# KiCad board FCSat_dual.kicad_pcb (continued)
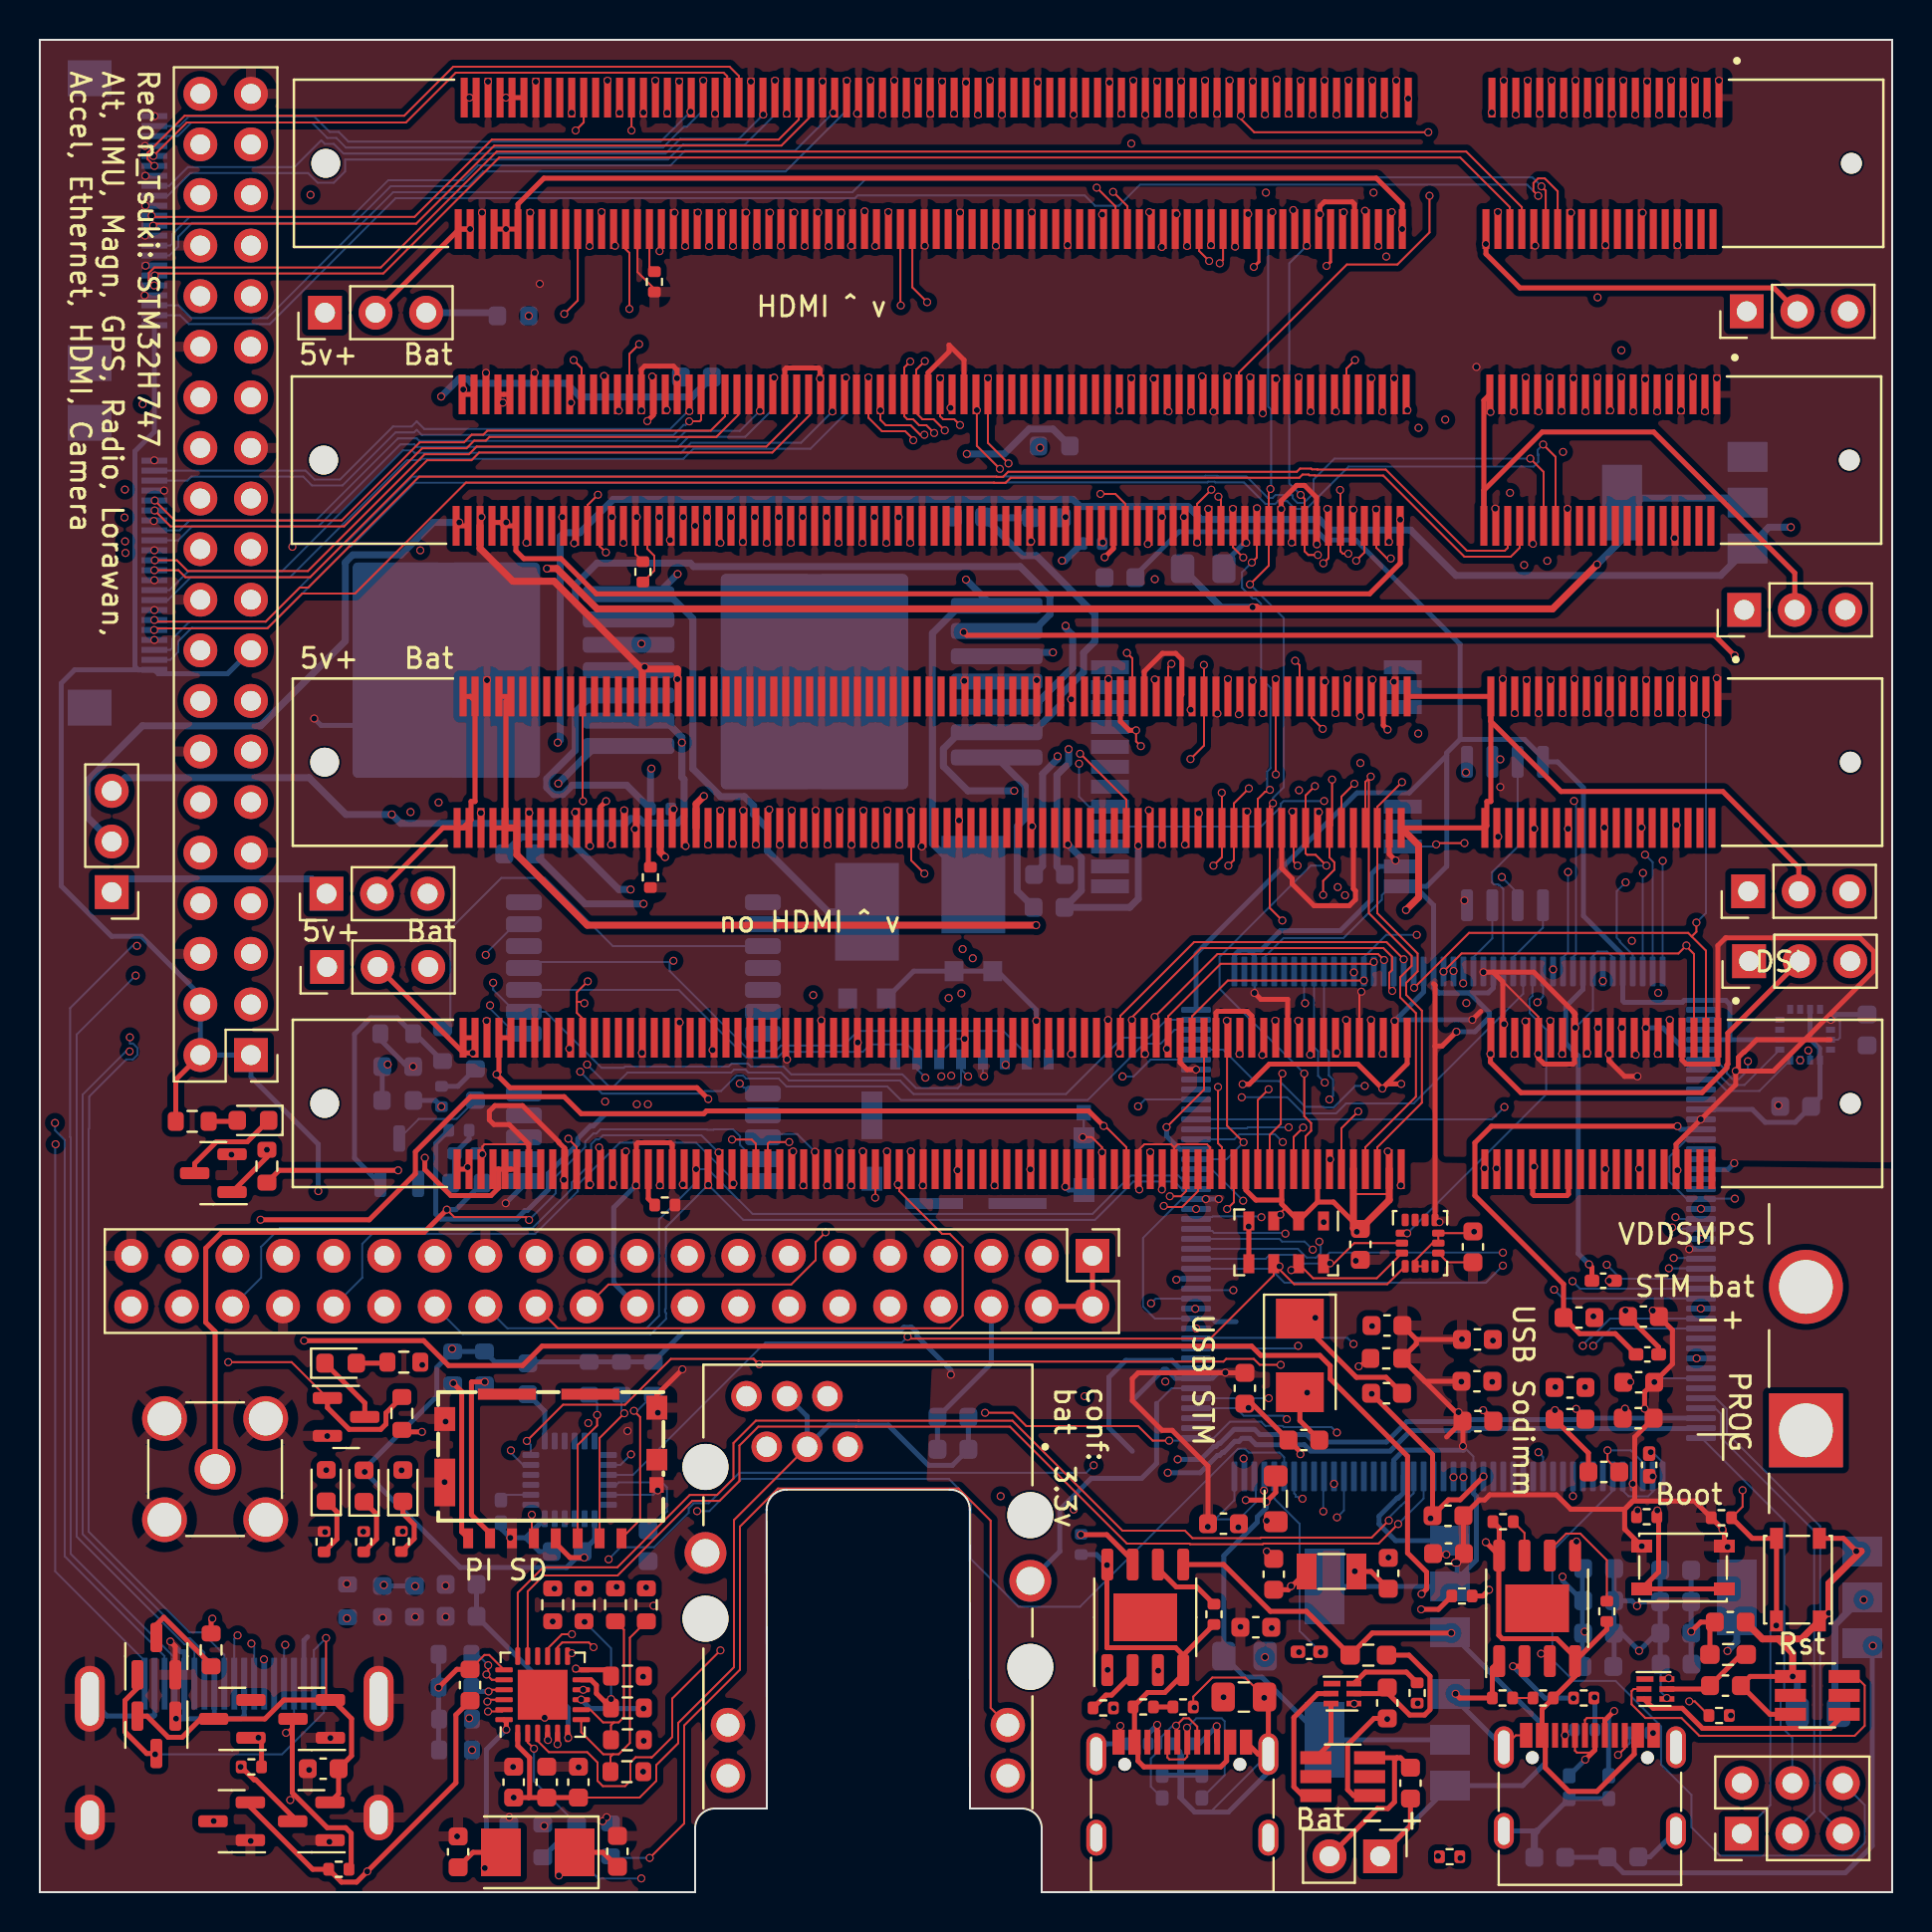
[diagram p0: board, top side]
## Routing (per net, layer and track width the routed paths; a pad name or vN(x,y) marks a point on that pad's centre or on a via; arc(x,y) is an arc through that point) (continued)
DRDY: length 6.1
  In2.Cu w0.1: v1(88.38,41.76) 88.34,41.8 85.84,41.8 v1(85.76,41.72)
  Bottom w0.1: v1(85.76,41.72) 85.76,41.27 85.31,40.83 84.98,40.83 84.69,41.11 84.69,41.22 84.11,41.8 MainMCU1.94
E_PIO0: length 59.2
  In1.Cu w0.1: v1(42.6,84.35) 42.87,84.08 42.77,83.98 42.77,73.8 42.67,73.69 42.67,67.92 v1(42.5,67.75) 42.38,67.63 42.38,54.47 v1(42.55,54.3) 42.38,54.13 42.38,37.34 v1(42.53,37.19)
  In2.Cu w0.1: v1(42.53,37.19) 42.53,34.55 43.37,33.71 48.55,33.71 P4.3
E_PIO1: length 57.3
  Top w0.1: v1(41.94,34.87) 41.95,34.88 U5.130
  In1.Cu w0.1: v1(41.94,82.65) 42,82.59 42,75.88 40.84,74.72 40.84,70.1 v1(41.9,69.04) 41.9,52.63 v1(41.94,52.59) v1(41.94,34.87)
  In2.Cu w0.1: P4.5 46.31,33.41 43.23,33.41 41.94,34.7 v1(41.94,34.87)
E_PIO2: length 56
  In1.Cu w0.1: v1(41.31,37.19) 41.47,37.34 41.47,54.18 v1(41.35,54.3) 40.64,55.01 40.64,67.09 v1(41.3,67.75) 40.54,68.51 40.54,74.85 41.13,75.44 41.13,84.11 v1(41.41,84.39)
  In2.Cu w0.1: P4.7 44.26,31.95 41.31,34.9 v1(41.31,37.19)
E_PIO3: length 52.6
  In1.Cu w0.1: v1(40.24,84.32) 40.07,84.15 40.07,74.63 40.24,74.46 40.24,67.89 v1(40.1,67.75) 40.1,54.35 v1(40.15,54.3) 40.15,37.21 v1(40.13,37.19)
  In2.Cu w0.1: v1(40.13,37.19) 40.15,37.17 P4.11
E_PIO4: length 51.3
  In1.Cu w0.1: v1(39.6,82.65) 39.58,82.63 39.58,74.69 39.39,74.51 39.39,69.15 v1(39.5,69.04) 39.61,68.93 39.61,52.66 v1(39.55,52.6) 39.63,52.52 39.63,35.59 v1(39.53,35.49)
  In2.Cu w0.1: v1(39.53,35.49) 39.53,34.37 37.61,32.45
E_PIO5: length 52.1
  In1.Cu w0.1: v1(38.33,35.49) 38.35,35.51 v1(38.35,52.6) 38.35,68.99 v1(38.3,69.04) 38.26,69.08 38.26,75.73 38.4,75.87 v1(38.4,82.65)
  In2.Cu w0.1: P4.15 38.33,35.21 v1(38.33,35.49)
E_PIO6: length 58.9
  In1.Cu w0.1: v1(37.88,84.32) 37.61,84.05 37.61,76.13 37.6,76.13 37.6,74.63 37.8,74.43 37.8,67.85 v1(37.7,67.75) 37.85,67.6 37.85,54.39 v1(37.75,54.3) 37.91,54.14 37.91,42.31 38.03,42.18 38.03,37.4 v1(37.82,37.19)
  In2.Cu w0.1: P4.19 32.29,34.25 36.95,34.25 37.82,35.12 v1(37.82,37.19)
E_PIO7: length 63.2
  Top w0.1: U5.148 36.55,37.57 36.64,37.66 v1(37.62,37.66)
  In1.Cu w0.1: v1(36.66,84.32) 36.47,84.13 36.47,74.79 36.55,74.71 36.55,67.8 v1(36.5,67.75) 36.62,67.63 v1(36.62,54.35) 36.62,38.66 v1(37.62,37.66)
  In2.Cu w0.1: P4.21 29.99,34.49 32.11,34.49 32.17,34.55 36.24,34.55 36.24,36.28 v1(37.62,37.66)
E_PIO8: length 62.8
  Top w0.1: U5.150 35.95,37.57 35.74,37.79 v1(34.75,37.79)
  In1.Cu w0.1: v1(34.75,37.79) 35.95,38.98 v1(35.95,52.6) 36.02,52.67 36.02,68.92 v1(35.9,69.04) 35.74,69.2 35.74,74.52 36,74.78 v1(36,82.65)
  In2.Cu w0.1: v1(34.75,37.79) 35.23,37.31 35.23,34.85 32.04,34.85 31.98,34.79 29.87,34.79 29.02,33.94 26.9,33.94 P4.23
E_PIO9: length 62.9
  In1.Cu w0.1: v1(32.28,35.54) 32.28,37.11 32.51,37.33 32.51,43.48 32.52,43.5 32.52,43.83 32.51,43.84 32.51,52.44 v1(32.42,52.53) 32.42,54.68 32.97,55.22 32.97,66.95 32.3,67.62 v1(32.3,69.04) 32.04,69.3 32.04,74.37 32.4,74.73 v1(32.4,82.65)
  In2.Cu w0.1: v1(32.28,35.54) 31.83,35.09 29.74,35.09 28.89,34.24 24.51,34.24 24.06,34.69 24.06,34.84 23.66,35.24 23.12,35.24 19.83,31.95
E_PIO10: length 49.9
  Top w0.1: v1(31.11,82.39) 31.2,82.48 31.2,83.5
  Top w0.35: 31.15,53.43 31.15,52.21 v1(31.39,51.97)
  In1.Cu w0.1: v1(31.13,35.49) 31.13,51.71 v1(31.39,51.97) 31.39,56.33 31.1,56.62 v1(31.1,69.04) 31.07,69.07 31.07,75.87 31.16,75.96 31.16,82.34 v1(31.11,82.39)
E_PIO11: length 63
  Top w0.1: U2.172 29.41,82.5 29.6,82.3 v1(29.6,79.49)
  In1.Cu w0.1: v1(29.6,79.49) 29.69,79.4 29.69,69.6 29.3,69.21 v1(29.3,67.75) 29.3,54.35 v1(29.34,54.32) 29.08,54.06 29.08,37.53 v1(29.42,37.19)
  In2.Cu w0.1: v1(29.42,37.19) 29.42,35.65 28.31,34.54 24.63,34.54 24.36,34.81 24.36,34.96 23.78,35.54 23,35.54 22.71,35.25 20.87,35.25 20.24,34.62 19.96,34.62 P4.29
E_PIO12: length 64
  In1.Cu w0.1: v1(28.88,82.66) 28.88,77 29.04,76.83 29.04,75.85 28.67,75.48 28.67,70.5 28.72,70.45 28.72,70.42 28.72,70.42 v1(28.72,69.04) 28.83,68.93 28.83,54.23 28.78,54.18 28.78,52.7 v1(28.68,52.6) 28.78,52.5 28.78,37.41 29.02,37.17 29.02,35.82 v1(28.79,35.58)
  In2.Cu w0.1: P4.31 17.72,34.92 20.12,34.92 20.75,35.55 22.59,35.55 22.87,35.84 23.91,35.84 24.9,34.84 27.91,34.84 28.66,35.58 v1(28.79,35.58)
E_PIO13: length 70.9
  Top w0.1: U3.176 28.1,67.58 v1(28.42,67.26)
  Top w0.25: v1(28.43,54.78) 28.15,54.5 28.15,53.43
  In1.Cu w0.1: v1(28.08,37.39) 28.08,37.58 28.18,37.68 28.18,39.33 27.98,39.53 27.98,39.86 28.22,40.09 28.31,40.09 28.31,45.9 28.32,45.91 28.32,52.4 28.28,52.43 28.28,52.77 28.32,52.8 28.32,54.67 v1(28.43,54.78) 28.4,54.81 28.4,67.24 v1(28.42,67.26) 28.32,67.36 28.32,69.9 28.42,69.99 28.42,70.33 28.35,70.4 28.35,75.58 28.73,75.96 28.73,76.72 28.31,77.14 28.31,84.24 v1(28.2,84.35)
  In2.Cu w0.1: P4.33 15.48,35.22 19.99,35.22 20.63,35.85 22.46,35.85 22.75,36.14 24.03,36.14 25.03,35.14 27.79,35.14 28.08,35.43 v1(28.08,37.39)
E_PIO14: length 71.5
  Top w0.1: v1(28.02,70.16) 27.5,69.64 U3.178
  In1.Cu w0.1: v1(27.6,82.65) 27.6,76.59 27.92,76.27 27.92,70.26 v1(28.02,70.16) 28.02,52.93 v1(27.62,52.53) 28.01,52.14 28.01,40.31 27.68,39.98 27.68,39.4 27.88,39.2 27.88,37.81 27.71,37.64 27.71,37.58 27.68,37.56 27.68,37.23 27.71,37.2 27.71,35.63 v1(27.62,35.54)
  In2.Cu w0.1: P4.35 9.67,33.15 13.97,37.45 25.71,37.45 v1(27.62,35.54)
E_PIO15: length 71
  Top w0.1: v1(26.33,79.24) 27.01,79.91 U2.180 ; U5.180 26.95,37.41 v1(26.53,37.83)
  In1.Cu w0.1: v1(26.33,79.24) 26.27,79.18 26.27,69.7 26.65,69.32 26.65,67.91 v1(26.83,67.73) 26.74,67.64 26.74,54.59 26.7,54.55 26.7,54.31 26.78,54.23 26.86,54.23 v1(26.88,54.21) 26.38,53.71 26.38,46.44 26.31,46.37 26.31,46.28 26.27,46.24 26.27,44.14 27,43.41 27,42.07 26.88,41.95 26.64,41.95 26.26,41.57 26.26,38.1 v1(26.53,37.83)
  In2.Cu w0.1: v1(26.53,37.83) 13.01,37.83 P4.37
E_PIO18: length 84.5
  Top w0.1: U4.179 27.25,54.8 v1(27.27,54.78) ; v1(26.9,88.45) 27.31,88.86 27.31,90.1 ; v1(27.34,44.63) 27.27,44.7 26.96,44.7 ; 26.96,44.7 26.96,44.15 27.25,43.86 U5.179 ; 26.96,44.7 26.96,45.18 v1(27.51,45.73) ; U3.179 27.2,76.52 v1(26.8,76.92)
  In1.Cu w0.1: v1(27.51,45.73) 27.22,46.02 27.22,52.69 27.62,53.09 27.62,54.43 v1(27.27,54.78) 27.62,55.13 27.62,76.1 v1(26.8,76.92) 27.12,77.24 27.12,88.23 v1(26.9,88.45) ; P4.12 39.05,30.51 39.05,35.59 39.31,35.85 39.31,37.34 38.83,37.82 v1(38.83,45.04)
  In2.Cu w0.1: v1(27.34,44.63) 27.41,44.7 38.49,44.7 v1(38.83,45.04)
EMMC_EN_N_1V8: length 114.5
  Top w0.1: U2.90 54.01,84.64 v1(53.06,85.58) ; Q4.1 12.64,26.61 v1(9.46,26.61)
  Top w0.25: R59.2 17.38,24.06 17.38,23.5 17.11,23.23 15.53,23.23 14.44,24.33 Q4.1
  In1.Cu w0.1: v1(9.46,26.61) 8.57,27.5 8.57,37.8 12.28,41.51 12.28,83.91 v1(13.59,85.22)
  In2.Cu w0.1: v1(13.59,85.22) 13.9,85.53 53.01,85.53 v1(53.06,85.58)
FIO0: length 10.2
  In1.Cu w0.1: v1(70.98,46.25) 71.12,46.4 71.12,55.74 v1(71.6,56.22)
FIO1: length 7.3
  In1.Cu w0.1: v1(73.4,50.97) 73.4,50.82 71.46,48.88 v1(71.46,45.63)
  Bottom w0.1: v1(73.4,50.97) 73.4,50.96 74.2,50.16
FIO2: length 3.7
  Bottom w0.1: 72.92,49.55 72.92,47.88 71.98,46.93 MainMCU1.69
FIO3: length 11.4
  Bottom w0.1: Flash32MBit1.7 74.2,52.49 72.91,51.21 72.91,50.69 73.01,50.6 73.2,50.6 73.24,50.57 73.27,50.57 73.48,50.37 MainMCU1.72
FIO_clk: length 18.3
  In1.Cu w0.1: v1(65.98,46.18) 66.2,46.4 66.2,47.68 66.46,47.94 66.46,55.84 66.3,55.99 v1(66.3,56.69)
  In2.Cu w0.1: v1(73.32,56.88) 73.14,56.69 v1(66.3,56.69)
  Bottom w0.25: 72.92,56.75 73.05,56.88 v1(73.32,56.88)
FIO_NCS: length 3.9
  Bottom w0.1: MainMCU1.73 73.98,46.93 75.46,48.42 75.46,49.55
GPIO0: length 135.7
  Top w0.1: 82.94,47.98 83.65,47.27 U5.3 ; 82.94,47.98 82.76,48.16 71.76,48.16 v1(69,45.41) ; 82.94,47.98 83.17,48.22 v1(83.17,48.68)
  In1.Cu w0.1: v1(83.7,89.25) 83.7,74.45 v1(83.6,74.35) 83.6,59.2 v1(83.65,59.15)
  In2.Cu w0.1: v1(83.6,74.35) 82.49,75.46 44.3,75.46 44.17,75.6 43.84,75.6 43.7,75.46 23.36,75.46 23.05,75.15 21.53,75.15 21.06,74.68 10.97,74.68
  Bottom w0.1: v1(83.65,59.15) 83.65,49.16 v1(83.17,48.68)
GPIO1: length 138.6
  Top w0.1: U5.5 83.05,47.1 82.67,47.48 v1(82.67,47.53) 82.27,47.13 71.38,47.13 v1(70.47,46.22)
  In1.Cu w0.1: v1(82.67,47.53) 82.14,48.06 82.14,49.47 83.05,50.38 v1(83.05,60.9) 83.05,76 v1(83,76.05) 83,90.85 v1(83.1,90.95)
  In2.Cu w0.1: P3.28 9.5,76.49 22.05,76.49 22.23,76.68 25.01,76.68 25.2,76.49 28.13,76.49 28.4,76.76 41.53,76.76 41.89,76.4 44.6,76.4 45.22,77.02 62.87,77.02 63.42,76.47 71.45,76.47 71.96,76.98 73.36,76.98 73.42,76.91 82.14,76.91 v1(83,76.05)
GPIO2: length 133.1
  In1.Cu w0.1: v1(81.85,60.9) 81.68,61.07 81.68,75.93 v1(81.8,76.05) 81.8,82.87 81.9,82.97 v1(81.9,90.95) ; v1(82.12,33.89) 81.82,34.19 81.82,43.78 v1(81.83,43.79) 81.77,43.85
  In1.Cu w0.15: v1(81.85,60.9) 81.85,53.92 81.7,53.77 81.7,52.25 81.95,51.99 81.95,49.75 81.8,49.59 81.8,43.82 v1(81.83,43.79)
  In2.Cu w0.1: P3.3 19.6,44.57 21.08,46.05 22.16,46.05 22.47,46.36 23.05,46.36 23.36,46.05 25.99,46.05 26.38,46.44 27.79,46.44 28.12,46.11 31.47,46.11 31.52,46.06 32.1,46.06 32.15,46.11 38.04,46.11 38.27,46.34 39.37,46.34 39.66,46.05 65.15,46.05 65.73,46.63 66.48,46.63 66.81,46.3 69.98,46.3 70.6,46.92 74.14,46.92 77.27,43.79 v1(81.83,43.79)
  Bottom w0.1: v1(82.12,33.89) 82.21,33.8 82.96,33.8
GPIO3: length 133
  In1.Cu w0.1: 81.04,45.15 81.04,45.15 v1(81.25,45.15) ; 81.04,45.15 81.04,42.28 v1(81.23,42.09) 81.23,34.09 v1(81.95,33.37) ; 81.04,45.15 81.04,58.99 v1(81.25,59.2) 81.2,59.25 v1(81.2,74.35) 81.2,89.15 v1(81.3,89.25)
  In2.Cu w0.1: 81.12,45.35 81.25,45.22 v1(81.25,45.15) 81.06,45.35 76.39,45.35 74.38,47.36 68.84,47.36 68.74,47.46 67.31,47.46 67.31,47.46 66.14,47.46 65.03,46.35 39.78,46.35 39.49,46.64 38.15,46.64 37.92,46.41 32.02,46.41 31.98,46.36 31.64,46.36 31.6,46.41 28.24,46.41 27.91,46.74 26.26,46.74 25.87,46.35 23.48,46.35 23.17,46.66 22.34,46.66 22.04,46.35 20.96,46.35 19.96,45.35 12.36,45.35 P3.5
  Bottom w0.1: v1(81.95,33.37) 82.01,33.31 84,33.31
GPIO4: length 130.6
  In1.Cu w0.1: 80.02,47.72 79.97,47.72 v1(79.93,47.76) ; 80.02,47.72 80.02,43.63 80.12,43.52 v1(80.12,42.05) 80.69,41.48 80.69,33.18 v1(82.03,31.84) ; 80.02,47.72 80.02,59.17 v1(80.05,59.2) 79.93,59.32 79.93,74.28 v1(80,74.35) 80.07,74.42 80.07,89.22 v1(80.1,89.25)
  In2.Cu w0.1: P3.7 12.1,48.15 49.82,48.15 49.84,48.13 68.5,48.13 68.96,47.66 79.83,47.66 v1(79.93,47.76)
  Bottom w0.1: v1(82.03,31.84) 83.96,31.84
GPIO5: length 130.6
  In1.Cu w0.1: v1(79.5,90.95) 79.4,90.85 v1(79.4,76.05) 79.4,67.52 79.45,67.47 v1(79.45,60.9) 79.18,60.63 79.18,47.99 78.9,47.72 78.9,47.38 79.43,46.86 v1(79.43,43.39) 79.72,43.1 79.72,33.39 v1(81.79,31.32)
  In2.Cu w0.1: 10.87,77.32 79.31,77.32 v1(79.41,77.41)
  Bottom w0.1: 82.74,31.32 v1(81.79,31.32)
GPIO6: length 133.5
  In1.Cu w0.1: v1(78.3,90.95) 78.21,90.86 78.21,76.06 v1(78.2,76.05) 78,75.85 78,67.04 77.78,66.82 77.78,61.37 v1(78.25,60.9) 78.07,60.72 78.07,43.55 v1(78.23,43.39) 78.2,43.36 78.2,31.97 v1(78.67,31.5)
  In2.Cu w0.1: 10.87,80.4 24.46,80.4 24.81,80.05 25.39,80.05 25.63,80.29 77.99,80.29 v1(78.21,80.07)
  Bottom w0.1: v1(78.67,31.5) 79.37,30.8 84.02,30.8
GPIO7: length 136.3
  In1.Cu w0.1: v1(77.7,89.25) 77.6,89.15 v1(77.6,74.35) 77.48,74.23 77.48,59.37 v1(77.65,59.2) 77.65,42.18 v1(77.69,42.14) 77.08,41.53 77.08,30.8 v1(76.95,30.67)
  In2.Cu w0.1: v1(77.6,74.35) 76.36,73.11 45.72,73.11 45.11,72.5 43.69,72.5 43.31,72.88 12.35,72.88 11.62,73.61 9.16,73.61 P3.26
  Bottom w0.1: 82.82,30.3 77.32,30.3 v1(76.95,30.67)
GPIO8: length 138.5
  In1.Cu w0.1: v1(76.03,30.25) 76.28,30.51 76.28,41.94 v1(76.43,42.09) 76.29,42.23 76.29,59.04 v1(76.45,59.2) 76.48,59.23 76.48,67.83 76.3,68.01 76.3,74.28 v1(76.4,74.38) 76.48,74.45 76.48,89.23 v1(76.5,89.25)
  In2.Cu w0.1: P3.24 9.16,68.87 19.26,68.87 19.76,68.37 32.57,68.37 32.73,68.2 33.07,68.2 33.23,68.37 72.54,68.37 75.05,70.87 75.05,70.88 v1(76.47,72.31)
  Bottom w0.1: v1(76.03,30.25) 76.47,29.81 84.02,29.81
GPIO9: length 139.3
  In1.Cu w0.1: v1(75.9,90.95) 75.8,90.85 v1(75.8,76.05) 76,75.85 76,72.51 75.66,72.17 75.66,61.04 v1(75.85,60.85) 75.85,53.59 75.61,53.35 75.61,43.96 v1(75.83,43.74) 75.83,31.27 70.78,26.22 70.78,21.75 71.48,21.05 v1(71.48,20.83)
  In2.Cu w0.1: 10.91,67.12 18.25,67.12 18.92,67.79 19.28,67.79 20.22,66.85 25.63,66.85 25.86,66.62 25.86,66.53 26.04,66.36 29.42,66.36 29.66,66.6 32.2,66.6 32.44,66.36 61.05,66.36 61.08,66.32 73.64,66.32 74.36,67.03 75.49,67.03 v1(75.68,66.84)
GPIO10: length 145.9
  In1.Cu w0.1: v1(74.7,90.95) 74.68,90.93 74.68,76.13 v1(74.6,76.05) 74.63,76.02 74.63,72.85 74.4,72.62 74.4,61.1 v1(74.65,60.85) 74.62,60.82 74.62,51.87 75.27,51.22 75.27,49.86 74.58,49.17 v1(74.58,43.72) 74.62,43.68 74.62,32.62 v1(73.46,31.46)
  In2.Cu w0.1: v1(74.52,66.63) 73.82,65.93 61.05,65.93 60.92,66.06 60.59,66.06 60.36,65.82 60.36,65.65 60.23,65.52 53.34,65.52 52.72,64.91 33.99,64.91 33.5,64.42 33.5,61.98 33.08,61.56 32.48,61.56 29.78,64.26 25.09,64.26 24.96,64.39 24.91,64.39 24.83,64.47 23.93,64.47 23.51,64.89 P3.19
  Bottom w0.1: v1(73.46,31.46) 72.6,30.6 62.5,30.6 61.79,31.3 MainMCU1.18
GPIO11: length 138.8
  In1.Cu w0.1: v1(74.1,89.25) 74.1,74.43 v1(74.01,74.34) 73.83,74.16 73.83,69.15 74.05,68.92 v1(74.05,59.2) 74.05,52.02 74.75,51.31 74.75,51.25 74.88,51.12 74.88,50.23 74.03,49.38 v1(74.03,42.09) 74.3,41.82 74.3,32.95 v1(73.46,32.11)
  In2.Cu w0.1: v1(73.81,70.26) 73.42,69.87 63.58,69.87 63.47,69.75 63.14,69.75 62.92,69.97 59.71,69.97 59.33,69.59 59.06,69.59 59.06,69.61 58.83,69.84 58.75,69.84 58.74,69.86 58.74,69.87 58.72,69.88 58.72,69.89 58.71,69.9 58.71,69.9 58.7,69.91 58.7,69.91 57.99,70.63 20,70.63 19.4,70.03 19.39,70.03 19.36,70 19.12,70 19.09,69.97 P3.23
  Bottom w0.1: v1(73.46,32.11) 64.75,32.11 64.2,31.56 63.47,31.56 63.03,32 61.75,32 61.55,31.8 MainMCU1.19
GPIO12: length 110.8
  Top w0.25: v1(67.67,58.37) 67.45,58.59 U4.45
  In1.Cu w0.1: v1(67.42,42.1) 67.42,45.63 67.89,46.1 67.89,51.41 67.67,51.63 v1(67.67,58.37) 67.67,59.11 67.34,59.44 67.34,69.11 67.5,69.27 67.5,74.25 v1(67.41,74.34) 67.6,74.54 67.6,84.06 67.48,84.18 67.48,89.23 v1(67.5,89.25)
  In2.Cu w0.1: P3.32 9.17,81.24 24.29,81.24 24.7,80.83 24.7,80.59 24.94,80.35 25.27,80.35 25.5,80.59 25.5,80.59 66.07,80.59 v1(67.6,82.12)
GPIO13: length 105.6
  In1.Cu w0.1: v1(66.9,90.95) 66.93,90.92 66.93,84.25 66.8,84.12 66.8,76.07 v1(66.86,76.01) 66.66,75.81 66.66,67.91 66.91,67.66 v1(66.91,60.87) 66.91,59.43 67.12,59.22 67.12,56.44 67.22,56.34 67.22,48.27 66.57,47.62 66.57,46.54 66.87,46.23 66.87,43.83 v1(66.83,43.79)
  In2.Cu w0.1: P3.33 25.92,82.67 28.05,84.8 53.46,84.8 53.59,84.67 54.17,84.67 54.39,84.88 66.51,84.88 v1(66.96,85.33)
GPIO16: length 128.7
  Top w0.1: U4.57 63.85,58.97 v1(64.41,58.41)
  In1.Cu w0.1: 63.85,89.2 v1(63.9,89.25) 63.87,89.22 63.87,83.65 64.13,83.39 64.13,74.68 v1(63.8,74.35) 63.97,74.18 63.97,69.39 63.6,69.03 63.6,67 63.51,66.91 63.51,55.61 63.62,55.51 63.62,55.37 63.85,55.13 64.08,55.13 ; 64.08,55.13 64.26,55.13 64.47,55.34 64.47,58.35 v1(64.41,58.41) ; 64.08,55.13 63.81,54.85 63.81,51.87 63.85,51.83 63.85,51.21 63.96,51.1 63.96,42.24 v1(63.78,42.05) 63.91,41.92 63.91,38.96 64.13,38.74 64.13,38.1 64.05,38.03 64.05,33.35 64.24,33.17 v1(64.24,32.66)
  In2.Cu w0.1: P3.36 9.16,86.31 13.44,86.31 13.92,85.82 52.74,85.82 52.9,85.98 52.92,85.98 53.1,86.16 54.05,86.16 54.28,85.92 54.28,85.92 54.3,85.9 60.55,85.9 v1(63.9,89.25)
  Bottom w0.1: v1(64.24,32.66) 64.24,32.49 64.31,32.42 64.31,32.09 64.07,31.86 63.61,31.86 63.16,32.3 MainMCU1.20
GPIO17: length 123.1
  Top w0.1: v1(63.02,61.82) 63.25,61.6 U4.59
  In1.Cu w0.1: v1(63.91,32.26) 63.81,32.36 63.81,33.18 63.75,33.23 63.75,38.15 63.83,38.22 63.83,38.61 63.08,39.36 63.08,43.65 v1(63.18,43.74) 63.13,43.8 63.13,50.92 63.55,51.34 63.55,51.7 63.29,51.96 63.29,55.41 63.11,55.59 63.11,60.9 63.21,61 63.21,62.25 ; 63.21,62.25 63.2,62.25 63.02,62.07 v1(63.02,61.82) ; 63.21,62.25 63.21,67.02 63.25,67.06 63.25,69.75 63.14,69.75 62.9,69.99 62.9,70.32 63.15,70.57 63.15,71.1 63.17,71.12 63.17,74.25 63.27,74.35 63.27,75.98 v1(63.2,76.05) 63.2,84.16 63.33,84.29 63.33,90.92 v1(63.3,90.95)
  In2.Cu w0.1: v1(63.22,55.32) 62.34,55.32 61.92,55.74 61.59,55.74 61.5,55.83 49.67,55.83 48.51,56.99 31.46,56.99 31.1,57.36 30.31,57.36 29.95,56.99 20.77,56.99 18.51,54.73 P3.11
  Bottom w0.1: MainMCU1.21 62.23,32.8 62.37,32.66 63.5,32.66 v1(63.91,32.26)
GPIO18: length 123.7
  Top w0.1: U4.63 62.05,56.12 v1(62.05,56.12)
  In1.Cu w0.1: v1(62.1,91) 62.28,90.82 62.28,76.17 v1(62.07,75.96) 62.07,71.23 62.22,71.09 62.22,70.24 61.99,70 61.75,70 61.74,69.99 61.74,69.84 61.81,69.77 61.81,61.14 v1(62.05,60.9) 62.31,60.64 62.31,49.53 61.98,49.21 61.98,48.95 61.98,48.95 61.98,48.62 62.08,48.52 62.08,43.81 v1(62.03,43.75) 62.08,43.7 62.08,41.36 61.98,41.26 61.98,40.93 62.09,40.83 62.09,39.83 61.87,39.61 61.87,33.73 v1(62.54,33.06)
  In2.Cu w0.1: v1(62.05,56.12) 62.04,56.13 49.79,56.13 48.63,57.29 31.59,57.29 31.22,57.66 30.19,57.66 29.82,57.29 20.65,57.29 19.12,55.76 13.9,55.76 13.83,55.83 9.16,55.83 P3.12
  Bottom w0.1: 58.15,33.2 58.86,33.2 58.96,33.1 62.5,33.1 v1(62.54,33.06)
GPIO19: length 110.1
  In1.Cu w0.1: v1(61.33,33.89) 61.18,34.04 61.18,41.84 v1(61.38,42.04) 61.38,43.41 61.33,43.46 61.33,44.04 61.39,44.11 61.39,46.4 61.1,46.69 61.1,58.91 v1(61.39,59.2) 61.41,59.22 61.41,69.22 61.51,69.31 61.51,69.65 61.44,69.71 61.44,70.22 61.38,70.28 61.38,70.62 61.4,70.63 ; 61.36,70.67 61.4,70.7 v1(61.4,74.25) 61.62,74.47 61.62,83.97 61.43,84.16 61.43,85.2 v1(61.56,85.33) 61.56,89.21
  In2.Cu w0.1: v1(61.56,85.33) 54.41,85.33 54.05,84.97 53.72,84.97 53.52,85.17 41.42,85.17 41.4,85.19 21.92,85.19 21.45,84.72 11.09,84.72
  Bottom w0.1: v1(61.33,33.89) 61.29,33.93 58.89,33.93 58.86,33.9 58.22,33.9
  vias: v1(61.51,89.26)
GPIO20: length 139.8
  Top w0.1: v1(60.3,89.2) 60.3,89.03 60.97,88.36 v1(69.71,88.36) ; U3.69 60.2,76.3 65.62,81.72 68.16,81.72 69.77,83.33 v1(69.77,85.17)
  In1.Cu w0.1: v1(69.71,88.36) 69.77,88.3 v1(69.77,85.17) ; v1(60.3,89.2) 60.27,89.17 60.27,82.98 60.41,82.84 60.41,76.26 60.36,76.22 60.36,75.88 60.4,75.85 60.4,74.37 60.5,74.27 60.4,74.17 60.4,69.38 60.02,69 60.02,64.9 60.06,64.86 60.06,59.28 v1(60.2,59.14) 60.22,59.12 60.22,52.91 60.39,52.74 60.39,42.25 v1(60.23,42.09) 60.79,41.53 60.79,37.83 60.85,37.77 60.85,35.15 v1(60.41,34.72)
  In2.Cu w0.1: v1(60.3,89.2) 59.95,88.85 9.16,88.85 P3.38
  Bottom w0.1: v1(60.41,34.72) 58.83,36.3 MainMCU1.28
GPIO21: length 109.4
  Top w0.1: 59.6,43.74 59.6,38.48 v1(60.44,37.65)
  In1.Cu w0.1: v1(59.59,43.75) 60.07,44.23 60.07,51.7 59.84,51.94 59.83,51.94 59.76,52.01 59.76,60.79 v1(59.65,60.9) 59.65,69 59.49,69.16 59.49,69.76 59.56,69.83 59.56,69.97 59.62,70.03 59.62,70.57 59.69,70.64 59.69,73.41 59.78,73.5 59.78,75.62 59.76,75.64 59.76,75.98 v1(59.64,76.1) 59.7,76.16 59.7,82.36 59.61,82.45 59.61,82.78 59.7,82.87 59.7,90.95
  In2.Cu w0.1: v1(59.74,90.96) 59.31,91.39 9.16,91.39 P3.40
  Bottom w0.1: MainMCU1.29 59.58,36.8 v1(60.44,37.65)
GPIO22: length 110.1
  Top w0.1: U5.75 58.45,40.29 v1(56.57,38.41) ; v1(57.77,56.89) 58.45,57.57 U4.75 58.45,61.61 v1(58.44,61.62)
  In1.Cu w0.1: v1(56.57,38.41) 56.57,40.38 57.89,41.7 57.89,52.43 57.89,52.44 57.89,52.77 57.77,52.89 v1(57.77,56.89) ; v1(58.5,90.95) 58.6,90.85 58.6,84.17 58.2,83.77 58.2,76.25 v1(58.35,76.1) 58.2,75.95 58.2,68.24 58.52,67.93 58.52,61.69 v1(58.44,61.62)
  In2.Cu w0.1: P3.15 51.13,59.81 51.61,60.29 51.95,60.29 52.15,60.08 56.91,60.08 v1(58.44,61.62)
  Bottom w0.25: MainMCU1.30 57.23,37.3 56.57,37.96 v1(56.57,38.41)
GPIO23: length 118.7
  Top w0.1: v1(66.47,45.77) 59.64,45.77 57.85,43.97 U5.77
  In1.Cu w0.1: v1(57.78,59.36) 57.71,59.44 57.71,67.94 57.84,68.07 57.84,72.24 57.57,72.51 57.57,73.79 57.8,74.02 v1(57.8,74.35) 57.9,74.45 v1(57.9,89.25) ; v1(69.21,58.17) 69.25,58.13 69.25,48.18 v1(69.13,48.06)
  In2.Cu w0.1: 56.79,58.37 57.15,58.01 69.04,58.01 v1(69.21,58.17) ; 56.79,58.37 56.14,59.02 54.32,59.02 54.03,59.31 30.22,59.31 29.42,58.51 9.36,58.51 P3.16 ; 56.79,58.37 v1(57.78,59.36)
  Bottom w0.1: MainMCU1.58 66.48,46.93 67.6,48.06 v1(69.13,48.06)
GPIO24: length 112
  Top w0.1: v1(56.81,61.67) 56.65,61.51 U4.81 ; U5.81 56.65,43.97 59.29,46.61 66.88,46.61 v1(66.97,46.7)
  In1.Cu w0.1: v1(56.59,42.34) 56.98,42.73 56.98,57.67 57.07,57.76 57.07,57.81 57.08,57.82 57.08,58.84 56.81,59.11 56.81,73.88 56.87,73.93 56.87,74.15 v1(56.67,74.35) 56.8,74.48 56.8,82.7 56.67,82.82 56.67,89.25 v1(56.7,89.28)
  In2.Cu w0.1: P3.18 9.2,63.49 30.13,63.49 32.36,61.26 33.2,61.26 33.62,61.67 v1(56.81,61.67)
GPIO25: length 112.4
  Top w0.1: v1(55.97,43.95) 59.12,47.1 67.19,47.1 v1(67.49,46.8)
  In1.Cu w0.1: v1(56.1,90.9) 56.1,82.93 55.93,82.77 55.93,76.3 56.02,76.22 56.02,76.08 v1(55.92,75.98) 55.92,67.96 56.04,67.85 56.04,62.46 55.37,61.78 55.37,61.45 55.93,60.89 v1(55.98,60.89) 56.08,60.78 56.08,52.91 55.94,52.77 55.94,43.98 v1(55.97,43.95)
  In2.Cu w0.1: P3.22 9.5,65.99 18.5,65.99 18.77,65.73 19.62,65.73 19.84,65.5 19.93,65.5 20.22,65.21 30.91,65.21 32.6,63.52 32.6,63.55 32.52,63.63 32.52,63.65 32.44,63.73 32.44,65.05 32.6,65.21 52.6,65.21 53.31,65.92 v1(55.98,65.92)
GPIO26: length 112.4
  Top w0.1: U4.87 54.85,61.95 v1(54.58,62.22) ; v1(54.83,43.79) 54.83,43.92 58.31,47.4 67.46,47.4 67.89,46.96 67.89,46.3 67.75,46.16 67.75,45.4 v1(67.9,45.25)
  In1.Cu w0.1: v1(54.83,43.79) 54.75,43.87 54.75,57.62 55.06,57.93 55.21,57.93 55.44,58.17 55.44,58.62 55.21,58.85 55.16,58.85 54.58,59.43 v1(54.58,62.22) 54.58,62.24 54.85,62.51 54.85,68.11 54.65,68.31 54.65,75.85 v1(54.8,76) 54.8,90.85 v1(54.9,90.95)
  In2.Cu w0.1: 10.62,87.77 54.79,87.77 v1(54.8,87.79)
  Bottom w0.1: v1(67.9,45.25) 67.98,45.32 MainMCU1.61
GPIO27: length 113.3
  Top w0.1: v1(55.04,58.33) 55.04,57.78 v1(55.28,57.54) ; U5.89 54.25,44 57.95,47.7 67.61,47.7 v1(68.48,46.84)
  Top w0.25: v1(55.04,58.33) 54.7,58.33 54.25,58.78 U4.89
  In1.Cu w0.1: v1(54.19,42.14) 54.15,42.18 54.15,57.44 v1(55.04,58.33) 54.07,59.3 54.07,62.33 54.2,62.46 v1(54.2,74.4) 54.3,74.5 v1(54.3,89.3)
  In2.Cu w0.1: 11.04,57.71 11.54,58.21 29.54,58.21 29.84,58.51 51.46,58.51 51.85,58.12 54.7,58.12 v1(55.28,57.54)
GPSrst: length 87.2
  Top w0.1: v1(70.11,52.61) 70.17,52.67 v1(71.52,52.67)
  In1.Cu w0.1: v1(71.62,44.64) 72.08,45.1 72.08,49.08 73.86,50.86 73.86,51.08 72.26,52.67 v1(71.52,52.67)
  In2.Cu w0.1: 83.39,50.7 81.5,52.58 70.13,52.58 v1(70.11,52.61) ; v1(35.14,40.6) 35.3,40.75 37.82,40.75 37.88,40.81 43.02,40.81 43.34,40.49 54.46,40.49 54.59,40.62 55.61,40.62 59.43,44.44 61.28,44.44 61.89,45.05 63.67,45.05 64.21,44.51 71.49,44.51 v1(71.62,44.64)
  In2.Cu w0.25: 83.39,50.7 83.65,50.43 83.65,46.93 83.05,46.33 ; v1(75.98,46.33) 83.05,46.33 ; 83.05,46.33 87.13,42.26 v1(88.79,42.26)
  Bottom w0.1: Magnetometer1.14 88.88,42.17 v1(88.79,42.26) ; 36.02,40.39 35.35,40.39 v1(35.14,40.6) ; v1(70.11,52.61) 70,52.5 LoRaWan1.18
HDMI_CEC: length 130.2
  Top w0.1: 29.7,90.1 v1(29.7,88.45) ; v1(30.09,77.72) 29.6,77.23 U3.171
  In1.Cu w0.1: v1(30.09,77.72) 30.09,88.07 v1(29.7,88.45) ; v1(5.16,74.71) 5.16,69.27 3.88,67.99 3.88,67.81 3.6,67.53 3.6,66.95 4.18,66.37 4.18,56.7 5.01,55.87 5.01,48.99 4.83,48.81 3.99,48.81 3.51,48.33 3.51,43.75 3.22,43.46 3.22,42.76 3.21,42.75 3.21,41.67 3.51,41.37 3.51,33.7 2.59,32.78 2.59,31.12 3.03,30.68 2.59,30.24 2.59,28.58 3.51,27.66 3.51,15.79 4.18,15.12 4.18,13.58 10.03,7.73 ; 10.03,7.73 13.06,4.7 13.06,4.55 12.08,3.57 v1(8.73,3.57) ; 10.03,7.73 11.25,8.95 v1(11.25,11.69)
  In2.Cu w0.1: v1(5.16,74.71) 5.16,76.25 7.6,78.69 12.73,78.69 13.7,77.72 v1(30.09,77.72)
HDMI_CLK_N: length 131.8
  Top w0.1: v1(48.63,71.73) 47.6,72.77 U3.111
  In1.Cu w0.1: v1(4.28,67.82) 4.28,67.78 3.9,67.41 3.9,67.07 4.71,66.26 4.71,56.59 5.31,55.99 5.31,48.86 4.96,48.51 4.11,48.51 3.81,48.21 3.81,43.62 3.52,43.33 3.52,42.64 3.51,42.62 3.51,41.8 3.81,41.5 3.81,33.57 2.89,32.65 2.89,31.25 3.46,30.68 2.89,30.11 2.89,28.71 3.81,27.79 3.81,15.92 7.13,12.59 7.13,12.59 7.25,12.48 v1(10.62,12.48) ; v1(47.7,90.95) 47.6,90.85 v1(47.6,76)
  In2.Cu w0.1: v1(4.28,67.82) 4.69,68.23 4.69,69.84 6.22,71.37 11.18,71.37 11.62,70.92 14.67,70.92 15.61,71.86 48.51,71.86 v1(48.63,71.73)
  Bottom w0.1: J8.12 10.76,12.34 v1(10.62,12.48)
HDMI_CLK_P: length 129.6
  Top w0.1: v1(47.05,74.41) 47.05,72.62 v1(48.2,71.46)
  In1.Cu w0.1: v1(47.05,74.41) 47.1,74.46 v1(47.1,89.25) ; v1(4.3,67.24) 5.01,66.53 5.01,56.72 5.61,56.12 5.61,48.74 5.08,48.21 4.24,48.21 4.11,48.08 4.11,43.5 3.82,43.21 3.82,42.63 3.88,42.57 3.81,42.5 3.81,41.92 4.11,41.62 4.11,33.35 4.01,33.35 3.19,32.53 3.19,31.37 3.88,30.68 3.19,29.99 3.19,28.83 4.01,28.01 4.11,28.01 4.11,16.04 7.26,12.89 v1(9.93,12.89)
  In2.Cu w0.1: v1(48.2,71.46) 15.63,71.46 14.8,70.62 11.5,70.62 11.06,71.07 6.34,71.07 4.99,69.72 4.99,67.93 v1(4.3,67.24)
  Bottom w0.1: v1(9.93,12.89) 9.76,12.72 J8.10
HDMI_D0_N: length 127.6
  In1.Cu w0.1: v1(45.9,89.3) 45.72,89.12 v1(45.72,74.52) 45.91,74.52 47.54,72.89 47.54,45.83 46.43,44.72 45.8,44.72 v1(45.63,44.89)
  In2.Cu w0.1: v1(45.63,44.89) 40.39,44.89 39.24,46.04 38.4,46.04 38.17,45.81 32.27,45.81 32.22,45.76 31.4,45.76 31.35,45.81 27.99,45.81 27.67,46.13 27.34,46.13 27.11,45.89 27.11,45.7 27.04,45.64 23.34,45.64 23.16,45.82 22.92,46.06 22.59,46.06 22.36,45.82 22.36,45.73 21.19,45.73 18.9,43.45 5.05,43.45 v1(4.52,42.92)
  Bottom w0.1: J8.9 9.26,11.92 8.14,13.04 7.51,13.04 2.45,18.1 2.45,38.31 2.48,38.34 2.48,39.95 4.34,41.81 4.67,41.81 4.91,42.04 4.91,42.38 4.67,42.61 4.52,42.61 v1(4.52,42.92)
